# Allegro board A523-EVB-AXP717C-LPDDR4-4X-32X1-V1-0.brd (continued)
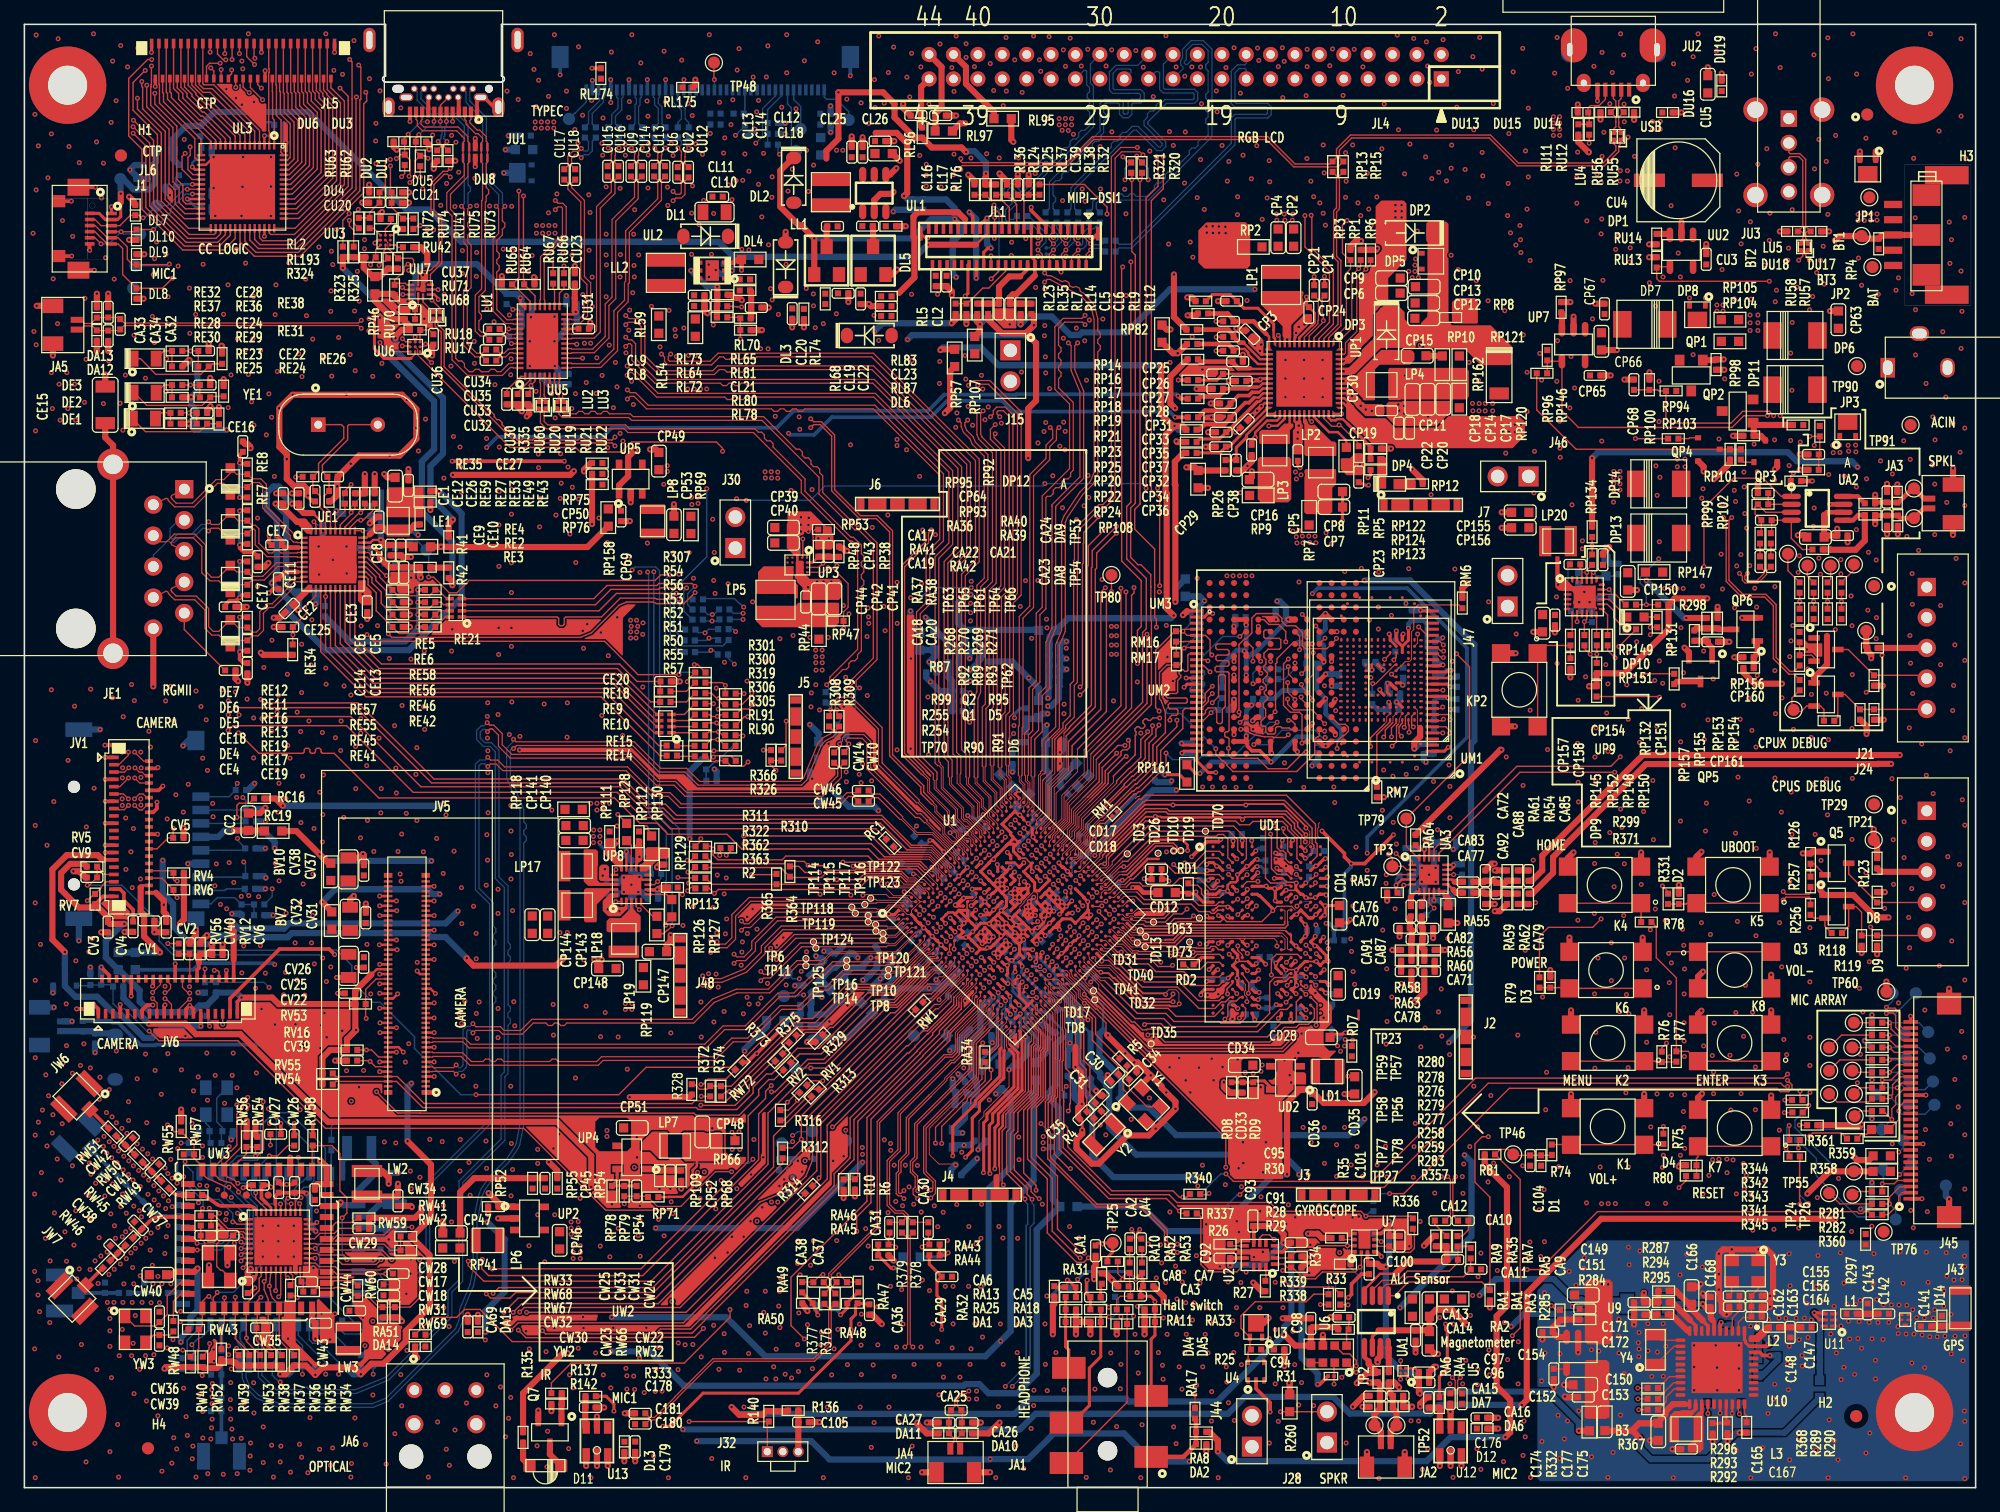
[diagram p0: board, top side]
## Nets (continued)
N18174923: C167.2 L3.1 U10.23(V_CORE)
N18174933: L3.2 U10.22(V_DCDC_OUT)
N18174967: C168.1 R288.1 U10.6(V_BCKP)
N18175003: C169.1 U10.5(LDO_B_OUT)
N18175017: C170.1 U10.24(LDO_C_OUT)
N18175058: R289.2 R368.2 U10.27(PIO2)
N18175060: R290.2 U10.30(PIO3)
N18175080: R291.2 U10.29(PIO5)
N18175116: R292.2 U10.19(PIO6)
N18175118: R293.2 U10.18(PIO7)
N18175146: R294.2 U10.9(VANT_IN)
N18175148: R295.2 U10.10(VANT_O)
N18175196: C172.1 R295.1
N18175216: R296.2 U10.17(RESET_N)
N18190806: DP9.2(CATHODE) KP2.1 KP2.3 RP145.1
N18190929: CP154.2 LP20.1 UP9.23(SW1) UP9.24(SW2)
N18190986: CP154.1 UP9.22(BST)
N18191047: DP10.2 UP9.15(STAT)
N18191051: DP10.1 RP131.2
N18191138: CP159.1 RP132.2 UP9.21(LDO)
N18191152: RP132.1 RP133.2 RP134.2 UP9.8(TS)
N18191222: RP135.2 RP152.1 UP9.10(NCE)
N18191243: RP136.2 UP9.17(PSEL)
N18197385: CW21.2 LW4.2 UW1.29(ABUCK_1P12)
N18197390: CW16.2 LW1.2 UW1.26(CSR_VLX)
N18197394: LW1.1 UW1.25(CBUCK_0P9)
N18197400: LW4.1 UW1.28(ASR_VLX)
N18197583: RW11.2 UW1.31(LPO_IN)
N18198312: CW8.1 CW12.2 JW3.3(TX/RX)
N18198325: RW6.2 UW1.48(NC3)
N18198336: CW8.2 CW11.2 RW6.1
N18198395: CW3.2 CW5.1 RW2.1
N18198403: RW2.2 UW1.9(WL_ANT1)
N18198405: RW3.2 UW1.2(WL_ANT0)
N18198409: CW4.2 CW6.2 RW3.1
N18198425: CW1.1 CW3.1 JW1.3(TX/RX)
N18198441: CW15.1 RW8.2 YW1.3(XOUT)
N18198445: CW2.2 CW4.1 JW2.3(TX/RX)
N18198460: CW7.1 RW7.2 YW1.1(XIN)
N18218999: CU4.1 CU5.2 DU19.2(CATHODE) JU3.1(VBUS) UU2.1(OUT)
N18219074: DU13.2(CATHODE) JU2.4(ID) RU11.1 RU12.1
N18219316: RU14.2 UU2.3(ISET)
N18220262: DU20.2(CATHODE) JC1.9(CD#) RC15.1 RC20.2
N18223657: CA2.2 RA52.1
N18223660: CA4.2 RA53.1
N18228273: RV1.1 U1.N5(PE15/MCSI2-MCLK/PWM-2/NCSI-D15/)
N18228401: RV2.1 U1.L2(PE5/MCSI1-MCLK/PLL-LOCK-DBG/I2S)
N18228701: RW1.1 U1.R1(PG0/SDC1-CLK/PG-EINT0)
N18233774: RM1.1 U1.T28(PC5/NAND-RE/SDC2-CLK/PC-EINT5)
N18247943: R258.1 TP78.1(TP)
N18247946: R259.1 TP77.1(TP)
N18273638: CA70.1 CA82.1 CA87.2 RA56.1 RA60.2
N18273672: CA76.1 CA82.2 CA91.1 RA58.2 RA63.2
N18273714: CA78.2 RA63.1
N18273716: CA71.2 RA60.1
N18273751: CA77.1 CA88.1 CA92.2 RA59.1 RA62.2
N18273767: CA72.1 CA83.1 CA88.2 RA54.2 RA61.2
N18273783: CA85.2 RA54.1
N18273785: CA79.2 RA62.1
N18274335: CA89.1 RA57.1 UA3.4(RETN)
N18274347: CA86.1 UA3.8(VREF)
N18279815: RU42.1 UU3.A3(VDD)
N18279822: RU41.1 UU3.B1(VCONN)
N18280499: RU10.2 UU5.29(I2C_EN)
N18453310: C174.1 R332.1 U12.6(VDD)
N18453328: C175.2 C176.2 D12.2(CATHODE) U12.4(OUT)
N18453461: C178.1 R333.1 U13.6(VDD)
N18453493: C179.2 C180.2 D13.2(CATHODE) U13.4(OUT)
N18460548: RU59.2 RU60.2 UU5.3(DCICFG/ADDR)
N18461013: RU67.1 UU5.22(CEQ/CSDA)
N18461022: RU66.1 UU5.21(DPEQ/CSCL)
N18461799: R335.2 UU5.2(REXT)
N18462290: RU61.1 UU5.35(CE_USB)
N18464343: CU30.2 UU5.1(VDD/CEXT)
N18464870: CU31.2 UU5.17(VDD_DCI)
N18505997: J45.17 R357.2 TP103.1(TP)
N18506037: J45.6 J45.7 J45.8 J45.9 R359.2 TP104.1(TP)
N18506054: J45.5 R358.2 TP105.1(TP)
N18513498: CU36.2 RU68.1 UU6.C1(VDD)
N18516675: CU37.2 RU71.2 UU7.1(VCC)
N18527306: RP148.1 UP9.12(NINT)
N18527353: RP149.1 UP9.16(NPG)
N18527380: RP150.1 UP9.13(SDA)
N18527406: RP151.1 UP9.14(SCL)
N18530784: QP6.3(C) RP153.1 RP154.2 RP155.2
N18530810: CP160.1 QP6.1(B) RP156.1
N18530858: CP161.1 QP5.1(B) RP155.1
N18530886: QP5.3(C) RP157.2
N18615287: RU75.1 UU3.A1(CC2)
N18615290: RU74.1 UU3.C1(CC1)
N18672918: D15.2 R288.2
N18672921: D15.1 R369.1 R370.1
N18773287: CL1.1 CL56.1 RL194.1 UL3.3(AVDD)
N18773435: CL3.1 RL195.1 UL3.18(VDD1V8)
N18773479: CL58.1 RL3.1 UL3.21(VDDIO)
N18773497: CL57.1 UL3.24(VTNC)
N18883227: RV56.1 U1.J1(PE0/MCSI0-MCLK/PE-EINT0)
N180837250: JL2.40(1_GP01) TP51.1(TP)
N180837255: JL2.35(6_SCL) TP50.1(TP)
N180837256: JL2.34(7_SDA) TP49.1(TP)

Pads without a net: J45 11 12 13 14 15 16; JA6 4 5; JL1 20 22 36 38 39 41 42 43 44 45; JL4 2 3 11 12 20 21 33 34 35 36; JV1 17 18 20 21 23 24 30 31; JV5 2 3 4 5 22 24 27 29 32 33 34 35 38 39 41 44 45 47 51 53 57 59 63 65 69 71 75 77 81 83 87 89; JV6 2 3 5 6 8 9 11 12 14 15 32 33; NOREF#2 1; NOREF#3 1; NOREF#4 1; NOREF#5 1; NOREF#9 1; NOREF#10 1; NOREF#11 1; NOREF#12 1; U1 AE11 AF29 AG23 AG28 AG29 AH29 AJ22; U2 2 3 10 11; U4 1 3; U7 10; U10 4 8 13 14 15 16 20 25 31 32 33 34 35 36 37; UD1 A1 A2 A11 A12 AA1 AA12 AB1 AB2 AB11 AB12 B1 B12 G11 K5 K8 N5 N8; UM1 A4 A6 A9 A11 AA1 AA2 AA7 AA8 AA9 AA10 AA11 AA12 AA13 AA14 AE1 AE14 AG2 AG13 AH4 AH6 AH9 AH11 B2 B13 D1 D14 H1 H2 H7 H8 H9 H10 H11 H12 H13 H14 J1 J7 J8 J9 J10 J11 J12 J13 J14 K1 K3 K5 K7 K8 K9 K10 K11 K12 K13 K14 L1 L2 L3 L4 L12 L13 L14 M1 M2 M3 M5 M8 M9 M10 M12 M13 M14 N1 N2 N3 N10 N12 N13 N14 P1 P2 P3 P10 P12 P13 P14 R1 R2 R3 R12 R13 R14 T1 T2 T3 T12 T13 T14 U1 U2 U3 U6 U7 U10 U12 U13 U14 V1 V2 V3 V12 V13 V14 W1 W2 W3 W7 W8 W9 W10 W11 W12 W13 W14 Y1 Y3 Y6 Y7 Y8 Y9 Y10 Y11 Y12 Y13 Y14; UM2 A1 A2 A3 A4 A10 A11 A12 A13 B1 B2 B3 B4 B10 B11 B12 B13 C1 C2 C3 C4 C10 C11 C12 C13 D1 D2 D12 D13 E1 E2 E12 E13 F5 F6 G8 G9 H3 H4 H6 H8 H10 H11 J8 K3 K4 K8 K10 K11 L5 L6 M8 M9 N1 N2 N12 N13 P1 P2 P12 P13 R1 R2 R3 R4 R10 R11 R12 R13 T1 T2 T3 T4 T10 T11 T12 T13 U1 U2 U3 U4 U10 U11 U12 U13; UM3 3 11 14 15 20 21 22 26 27 33 40 45 46 47; UP1 36 40; UP8 10; UP9 9 11; UU5 23 38; UW1 17 18; UW2 27 39; UW3 5 8 30 32 35 37 38 39 40 45 46 47

## Via types
v1: diameter 0.406, hole 0.203, TOP to BOTTOM, 4938 vias

## Routing (per net, layer and track width the routed paths; a pad name or vN(x,y) marks a point on that pad's centre or on a via; arc(x,y) is an arc through that point)
AGND: length 11.1
  TOP w0.254: U1.AA3 79.41,40.32 79.41,40.24 v1(79.44,40.21) ; U1.U7 79.12,43.45 v1(79.49,43.08)
  BOTTOM w0.508: C68.2 77.39,32.26 C63.2 78.11,33.17 C67.2 78,33.45 77.61,33.84 C64.2 77.61,34.35 77.62,34.35 C65.2 77.62,36.67 78.38,37.43 R14.1 78.38,38.15 78.39,38.16 C66.2 78.39,39.42 78.8,39.83 79.06,39.83 v1(79.44,40.21)
AVCC: length 232.3
  TOP w0.254: U1.W7 79.83,42.75 v1(80.14,42.44)
  TOP w0.508: R6.1 v1(68.1,23.88) ; v1(121.44,4.14) 121.83,4.54 121.83,7.2 120.72,8.32 120.72,14.06 121.56,14.9 121.56,24.64 v1(119.74,26.46) R81.1 ; RP82.2 93.65,94.98 v1(93.98,94.98) ; RA8.2 97.16,4.57 97.86,3.87 v1(97.86,2.96)
  L3 w0.508: v1(114.44,93.68) 114.44,94.87 113.23,96.09 113.19,96.09 112.38,96.9 101.71,96.9 101.04,96.23 99.45,96.23 98.2,94.98 v1(93.98,94.98) ; v1(68.1,23.88) 67.65,24.32 64.59,24.32 63.51,25.4 v1(62.99,25.4) ; v1(119.15,29.58) 114.65,29.58 113.7,28.63 108.12,28.63 107.84,28.91 97.33,28.91 93.75,25.32 85.2,25.32 82.71,27.81 80.8,27.81 80.31,28.3 78.02,28.3 77.23,29.09 v1(76.92,29.09) 69.91,29.09 v1(68.71,27.89)
  L4 w0.254: v1(80.14,42.44) 80.18,42.4 80.18,41.52 78.91,40.26 78.91,37.64
  L4 w0.508: v1(76.92,29.09) 76.92,33.12 77.61,33.8 77.61,36.33 78.91,37.64 ; v1(119.74,26.46) 119.15,27.05 v1(119.15,29.58) 119.41,29.83 119.41,69.67 114.43,74.65 114.43,81.97 115.06,82.6 115.06,86.4 115.68,87.01 115.68,92.44 v1(114.44,93.68) ; v1(68.71,27.89) 68.44,27.89 67.76,27.21 67.76,24.21 v1(68.1,23.88)
  BOTTOM w0.508: C63.1 77.17,31.41 R13.1 77.13,30.29 RP85.2 76.43,29.09 v1(76.92,29.09) ; R8.1 62.99,25.77 v1(62.99,25.4) ; v1(97.86,2.96) 98.64,2.17 114.98,2.17 116.95,4.14 v1(121.44,4.14)
AVDD10: length 51.2
  TOP w0.203: 23.64,79.93 24.3,79.27 UE1.38 ; 22.4,75.1 UE1.8 ; UE1.3 22.5,77.1
  TOP w0.381: 22.5,77.1 21.34,77.1 CE7.1 21.12,77.65 v1(20.7,78.07) ; 22.4,75.1 21.36,75.1 CE11.1 20.65,74.56 v1(20.28,74.19)
  TOP w0.508: 23.64,79.93 22.91,79.93 22.53,80.31 CE12.1 v1(21.94,80.69) ; RE4.2 v1(34.01,81.73)
  BOTTOM w0.508: v1(21.94,80.69) 21.2,81.44 21.2,81.78 20.87,82.1 20.41,82.1 19.88,81.58 19.88,80.2 20.7,79.39 v1(20.7,78.07) 20.7,74.61 v1(20.28,74.19) 21.69,72.78 21.69,71.72 24.73,68.68 31.52,68.68 35.85,73.02 35.85,79.88 v1(34.01,81.73)
AVDD33: length 16.6
  TOP w0.203: UE1.40 23.5,78.7 22.98,79.21 ; UE1.11 23.32,73.71 23.05,73.44
  TOP w0.508: v1(22.46,71.96) CE2.1 23.05,73.44 ; v1(20.6,80.69) CE1.1 21.23,80.33 22.35,79.21 22.98,79.21
  BOTTOM w0.508: v1(20.6,80.69) 21.46,79.83 21.46,74.1 22.19,73.37 RE1.2 22.53,72.03 v1(22.46,71.96)
AVDD-LCD: length 39.5
  TOP w0.254: v1(76.28,104.04) 76.56,103.75 JL1.37
  TOP w0.508: 69.8,111.1 71.53,111.1 72.39,110.23 72.39,106.18 72.15,105.94 v1(72.13,105.94) ; DL2.2 63.01,109.04 61.98,108.01 61.98,105.04 63.52,103.5 63.71,103.5 v1(64.76,102.45) DL3.1
  BOTTOM w0.508: v1(72.13,105.94) 72.15,105.94 72.44,105.65 CL15.1 RL63.2 75.56,105.65 76.28,104.93 v1(76.28,104.04) ; v1(64.76,102.45) 72.77,102.45 74.36,104.04 v1(76.28,104.04) ; RL1.2 76.28,102.3 76.78,102.81 76.78,103.53 v1(76.28,104.04)
DVDD: length 3.1
  TOP w0.203: UA3.19 v1(114.78,52.35)
  TOP w0.254: v1(114.78,52.35) 114.41,52.35 RA64.2
  BOTTOM w0.508: CA90.1 CA74.1 114.69,52.44 v1(114.78,52.35)
DVDD10: length 11.1
  TOP w0.508: RE2.2 v1(33.29,80.18) ; v1(27.73,73.27) 27.73,73.04 CE3.2
  L3 w0.508: v1(33.29,80.18) 33.29,78.35 32.05,77.11 31.21,77.11 27.73,73.63 v1(27.73,73.27)
DVDD33: length 54.5
  TOP w0.203: UE1.29 28.38,77.5 28.6,77.72 v1(29.22,77.72)
  TOP w0.508: v1(13.68,89.43) 13.65,89.41 RE30.2 ; v1(13.54,92.46) 13.46,92.46 RE37.2 ; RE34.1 19.57,68.3 v1(19.39,68.48) ; RE25.2 v1(13.47,87.25) ; v1(29.22,77.72) 29.64,77.3 CE6.1 CE5.1 31.63,77.3 31.77,77.16 RE5.2
  L3 w0.508: v1(19.39,68.48) 19.39,71.9 18.28,73.01 18.28,78.67 v1(19.12,79.51) 19.12,85.73 18.11,86.74 v1(16.59,86.74)
  L4 w0.508: v1(29.22,77.72) 27.64,77.72 26.75,78.61 20.98,78.61 20.08,79.51 v1(19.12,79.51)
  BOTTOM w0.508: v1(29.22,77.72) RE33.1 RE44.2 RE50.2 RE54.2 ; v1(16.59,86.74) 13.98,86.74 v1(13.47,87.25) 14.03,87.81 14.03,88.41 13.68,88.76 v1(13.68,89.43) 14.18,89.94 14.18,91.82 v1(13.54,92.46)
DVDD-IO: length 1.5
  TOP w0.508: RE6.1 33.32,75.45 R42.2
DVDDRG: length 25.9
  TOP w0.203: 29.16,76.55 28.61,77.1 UE1.28
  TOP w0.305: RE56.2 v1(32.25,72.61) ; RE58.2 v1(32.25,73.63) ; RE42.2 v1(32.25,70.58) ; RE46.2 v1(32.25,71.59)
  TOP w0.508: v1(32.51,74.64) 32.44,74.71 RE6.2 32.43,75.47 CE13.2 CE14.2 29.93,75.47 29.16,76.25 29.16,76.55
  BOTTOM w0.305: 31.03,75.15 32,75.15 v1(32.51,74.64) 32.25,74.39 v1(32.25,73.63) v1(32.25,72.61) v1(32.25,71.59) v1(32.25,70.58) ; 31.03,75.15 31.03,74.26 RE52.2 ; 31.03,75.15 RE48.2
  BOTTOM w0.508: RE39.1 26.69,69.39 31.22,69.39 32.25,70.42 v1(32.25,70.58)
GND: length 1206.6
  TOP w0.076: 90.39,48.02 90.07,47.7 U1.AF28 ; v1(72.9,50.32) 73.12,50.32 73.56,49.89 73.74,49.89 74.51,49.11 U1.C8 ; 100.13,45.03 102.48,45.03 102.71,44.8 v1(102.71,44.41) ; 100.13,45.03 99.6,45.03 ; 100.13,45.03 UD1.N4 99.6,45.03 ; U1.C27 81.23,55.83 81.48,56.08 81.48,56.43 U1.B29 ; U1.AH16 86.18,42.39 86.61,41.96 ; v1(74.41,50.87) 74.97,50.31 74.97,50.07 75.22,49.82 U1.C10 ; 103.4,37.41 103.45,37.47 104.32,37.47 ; v1(76.35,26.47) 76.29,26.53 74.99,26.53 74.2,27.32 74.2,29.47 77.67,32.94 77.67,32.94 78.22,33.49 78.22,36.11 v1(78.58,36.47) ; 91.49,56.78 91.38,56.68 91.28,56.68 91.1,56.49 ; 78.68,30.76 78.68,30.48 78.28,30.08 78.28,27.79 v1(78.21,27.72) ; 93.66,40.45 v1(93.57,40.45) ; U1.H11 77.41,48.12 77.77,48.12 78.05,48.4 U1.H13 ; 73.46,48.05 73.36,48.15 73.35,48.15 72.73,48.77 72.62,48.77 72.52,48.87 v1(72.15,48.87) ; 73.46,48.05 U1.C6 ; 73.46,48.05 73.45,48.05 72.85,47.45 72.74,47.34 U1.C3 72.39,46.99 72.08,47.3 71.73,47.3 U1.A2 ; v1(83.36,38.28) 83.36,38.5 U1.AJ6 82.89,38.96 82.89,39.32 82.64,39.57 U1.AG7 ; 106.21,54.54 106.13,54.47 106.13,54.14 106.05,54.06 106.05,53.43 106.2,53.28 ; v1(86.98,41.8) 86.98,41.47 87.3,41.14 87.59,41.14 87.72,41.01 87.81,41.01 87.92,40.9 87.92,40.75 88.04,40.62 88.04,40.55 ; v1(86.92,39.73) 86.42,40.23 86.42,40.74 85.12,42.04 85.08,42.04 ; U1.AD7 81.23,40.98 80.97,41.24 80.97,41.59 U1.AA7 ; U1.AH25 89.71,45.93 89.96,45.68 89.96,45.68 90.07,45.68 90.27,45.49 ; v1(105.04,52.24) 105.04,52.49 105.4,52.85 105.4,53.78 v1(105.08,54.1) ; U1.R3 76.99,42.39 76.7,42.1 76.7,41.86 75,40.16 v1(75,40.01) ; v1(75.9,53.71) 75.9,53.65 77.06,52.49 77.06,52.22 77.34,51.94 U1.C16 ; 103.96,47.62 104.19,47.39 104.19,47.37 ; v1(87.77,51.84) 87.77,51.91 88.1,52.24 ; v1(80.74,34.28) 80.74,32.87 78.66,30.8 ; v1(84.89,39.9) 84.16,40.63 U1.AH10 83.95,40.73 83.95,41.08 83.7,41.33 U1.AF11 U1.AG12 84.76,41.69 85.06,41.39 85.06,41.17 85.94,40.29 85.94,40.25 85.94,39.62 86.73,38.83 ; 99.6,45.03 96.74,45.03 ; v1(91.01,45.86) 91.27,45.86 91.36,45.95 91.62,45.95 91.74,45.83 ; U1.AG14 85.47,42.39 85.72,42.14 85.72,41.92 86.9,40.73 v1(86.9,40.46) ; U1.T19 83.08,48.13 83.08,48.71 82.84,48.95 81.97,48.08 81.97,47.97 81.63,47.64 81.63,47.39 81.58,47.34 ; v1(90.88,44.98) 91.44,44.98 91.51,44.91 91.8,44.91 91.82,44.89 92.07,44.89 92.09,44.91 93.55,44.91 ; U1.AJ11 84.83,40.63 85.43,40.02 85.43,39.05 v1(85.6,38.89) ; U1.C20 78.75,53.35 78.5,53.6 78.5,53.85 77.34,55.01 v1(77.34,55.12) ; 89.98,55.46 89.18,54.66 89.18,54.65 ; U1.AA28 88.02,49.54 88.38,49.54 88.7,49.87 88.82,49.87 ; 94.94,45.69 95,45.69 95.01,45.7 103.03,45.7 103.04,45.69 103.41,45.69 ; U1.AH3 81.58,38.15 81.58,37.8 82.08,37.3 v1(82.08,36.97) ; 87.01,52.19 87.01,51.71 86.63,51.33 86.63,50.98 U1.U28 ; U1.A14 75.93,51.62 v1(75.39,52.15) ; 98.02,48.97 98.62,48.97 v1(98.66,48.94) ; 89.13,44.39 88.65,44.87 U1.AH22 ; v1(74.75,41.66) 74.99,41.9 75.29,41.9 75.97,42.58 75.97,42.8 76.28,43.1 U1.N3 ; U1.AD28 89.36,48.4 90,49.05 90.73,49.05 ; v1(78.63,55.19) 78.63,55.12 79.16,54.59 79.16,54.37 79.46,54.06 U1.C22 ; U1.C18 78.05,52.65 77.8,52.9 77.8,53.11 v1(77.25,53.66) ; UM1.Y2 114.24,69.25 v1(114.24,70) ; 93.55,40.54 93.84,40.83 94.42,40.83 94.67,40.59 94.67,39.7 v1(94.69,39.67) ; 88.9,49.01 88.55,49.01 88.3,48.76 U1.AC27
  TOP w0.089: 103.07,51.26 UD1.C8
  TOP w0.102: 103.87,46.71 UD1.K9 ; 89.69,42.57 89.66,42.6 89.53,42.6 88.89,43.24 88.24,43.24 ; 86.18,36.16 86.18,38.35 85.65,38.89 v1(85.6,38.89) ; 88.77,37.13 88.69,37.22 88.69,38.11 87.08,39.73 v1(86.92,39.73) ; v1(86.9,40.46) 87.11,40.25 87.13,40.25 87.44,39.94 87.44,39.92 87.93,39.43 88.09,39.43 88.18,39.34 88.22,39.34 88.54,39.02 ; U1.W29 88.23,51.16 88.57,51.16 v1(88.58,51.16) 88.72,51.3 88.72,51.79 ; v1(82.08,36.97) 82.08,32.51 80.27,30.7 80.27,29.64 79.96,29.33 79.96,25.72 79.71,25.47 ; 105.47,46.71 UD1.K11 ; UD1.N11 105.47,44.76 ; UD1.D11 105.47,50.61 ; 103.07,40.21 UD1.Y8 ; 103.07,38.91 UD1.AB8 ; 94.9,45.64 94.94,45.69 ; v1(89.77,44.96) 89.94,44.96 89.95,44.95 90.11,44.79 90.12,44.78 90.88,44.02 91.33,44.02 91.38,43.96 94.09,43.96 94.2,44.08 94.55,44.08 94.6,44.12 ; 92.64,53.14 90.43,50.93 v1(90.15,50.93) 90.14,50.92 89.87,50.92 88.82,49.87 ; 103.88,54.28 103.88,53.99 104.67,53.2 UD1.A10 ; 103.87,44.76 UD1.N9 ; 103.07,42.81 UD1.T8 ; 90.75,50.2 90.64,50.1 90.61,50.1 90.59,50.08 90.51,50.08 90.24,49.81 v1(90.03,49.81) ; 103.41,45.69 103.45,45.64 ; UD1.P1 97.31,43.95 96.67,43.95 ; UD1.W9 103.87,40.86 ; UD1.G8 103.07,48.66 ; U1.AC29 88.9,49.01
  TOP w0.114: 87.01,52.19 87.71,52.89 v1(87.71,53.16) 88.22,53.66 88.22,53.8 ; v1(79.27,34.26) 79.27,33.5 77.6,31.83 77.6,31.48 ; U1.AJ18 87.97,42.37 88.16,42.37 v1(88.27,42.27) ; 103.96,47.62 103.91,47.68 102.73,47.68 v1(102.37,47.32) 101.47,46.42 98.58,46.42 98.28,46.71 UD1.K2 98.27,46.6 98.07,46.41 ; U1.AC29 89.7,49.81
  TOP w0.127: 89.7,49.81 v1(90.03,49.81) ; UD1.N9 103.87,45.38 103.78,45.46 ; U1.G27 82.64,54.08 82.37,54.36 82.37,54.41 v1(82.32,54.46) 82.3,54.48 82.25,54.48 81.96,54.77 U1.E27 ; U1.H11 77.3,48.01 77.3,47.39 U1.J10 ; UD1.J1 97.53,47.36 97.71,47.55 97.77,47.55 97.92,47.7 98.58,47.7 v1(98.67,47.61) ; v1(89.94,43.92) 89.63,43.92 89.15,44.39 89.13,44.39 ; 104.35,48.98 103.47,48.98 v1(103.46,49) ; 90.27,45.49 90.77,44.98 v1(90.88,44.98) ; v1(104.3,42.44) 104.26,42.48 103.49,42.48 v1(103.45,42.43) ; v1(95.83,43.92) 95.87,43.95 96.67,43.95 ; 102.74,36.41 102.66,36.33 93.1,36.33 v1(92.6,36.83) ; 94.81,44.29 94.65,44.12 94.6,44.12 ; 103.88,54.28 103.16,55 100.09,55 v1(99.87,54.79) ; 94.55,46.35 94.41,46.35 93.89,45.83 91.74,45.83 ; 98.07,46.41 94.61,46.41 ; 81.58,51.59 81.62,51.62 82.09,51.62 82.48,51.23 U1.L23 ; 86.73,38.83 v1(87.21,38.36) ; 103.07,49.96 UD1.E8 103.19,49.96 103.5,49.65 104.18,49.65 104.24,49.58 v1(104.29,49.58) ; 103.45,41.54 103.76,41.85 104.22,41.85 104.25,41.87 ; 105.23,43.15 105.75,43.15 ; 100.33,43.15 99.56,43.15 v1(99.47,43.25) ; 105.26,48.35 105.86,48.35 ; v1(90.89,49.21) 90.73,49.05
  TOP w0.152: 86.61,41.96 86.77,41.8 v1(86.98,41.8) ; v1(92.6,36.83) 92.54,36.83 92.46,36.75 91.85,36.75 88.04,40.55 ; 103.45,45.64 103.86,45.24 ; 88.72,51.79 91.95,55.02 92.72,55.02 v1(92.74,55.04) 93.16,55.04 93.23,54.97 ; 103.45,41.54 103.4,41.54 103.36,41.51 UD1.V8 103.07,41.51 ; v1(88.27,42.27) 88.34,42.19 88.9,42.19 89.29,41.8 89.38,41.8 91.64,39.54 93.87,39.54 93.94,39.47 94.49,39.47 ; 93.55,40.54 91.72,40.54 89.69,42.57 ; v1(90.88,48.11) 90.48,48.11 90.39,48.02 ; v1(105.08,54.1) 105.08,54.23 103.25,56.06 100.23,56.06 v1(100.15,55.98) v1(94.18,55.98) 94.08,55.98 94.06,56.01 91.87,56.01 88.1,52.24 ; 94.9,45.64 94.19,44.94 93.57,44.94 93.55,44.91
  TOP w0.203: v1(33.7,40.52) 33.3,40.91 JV5.43 ; JV5.67 v1(33.6,45.71) ; v1(28.74,102.07) 28.98,102.31 UU3.C2 ; JV5.76 v1(30.53,47.31) ; JV5.85 v1(33.6,49.31) ; UP8.9 50.66,49.85 v1(50.42,50.09) ; JV5.26 v1(29.16,37.31) ; v1(82.71,53.37) 82.71,53.29 U1.J26 ; 92.64,53.14 94.95,53.14 95.38,52.7 v1(95.38,52.25) ; JV5.49 32.44,42.11 32.21,42.34 v1(32.21,42.37) ; 81.58,53 U1.G24 81.42,53 81.05,53.37 ; v1(29.13,40.54) 29.16,40.51 JV5.42 ; JL1.46 73.87,102.49 v1(74.07,102.49) ; UP3.B3 UP3.B4 ; UP3.B3 UP3.B2 UP3.C2 ; UP3.B3 UP3.C3 ; JV5.36 v1(29.13,39.31) ; JV5.7 v1(33.6,33.71) ; 82.56,51.15 U1.L21 ; 82.56,51.15 82.56,50.6 v1(82.64,50.52) ; 82.56,51.15 U1.L23 ; v1(32.04,94.37) 32.04,93.96 UU6.C2 ; JV5.50 v1(29.13,42.11) ; JV5.80 v1(30.51,48.11) ; U1.AC21 86.65,46.75 87.12,46.75 U1.AD23 ; JV5.40 30.23,40.11 v1(30.61,40.49) ; UP9.2 126.16,73.65 v1(125.76,74.05) UP9.1 ; CP24.2 105.8,96.33 105.8,95.51 105.56,95.27 105.52,95.27 104.55,94.31 UP1.8 ; U1.J19 U1.J18 U1.K18 ; 63.23,76.7 63.38,76.55 UP3.C1 UP3.C2 ; JV5.14 v1(29.13,34.91) ; v1(30.51,35.71) JV5.18 ; v1(80.99,36.72) 81.23,36.96 U1.AJ1 ; v1(86.74,29.31) 86.74,30.02 C35.2 ; UM1.Y5 111.99,69.49 ; JV5.82 v1(29.13,48.51) ; UP3.C2 UP3.C3 ; JV5.30 v1(29.16,38.11) ; UL3.40 v1(19.68,102.62) ; v1(75.54,46.27) 75.22,46.59 U1.G6 U1.G7 75.75,47.17 76.17,47.17 v1(77.05,46.28) ; JV5.13 v1(33.6,34.91) ; JV5.19 v1(33.6,36.11) ; JV5.61 v1(33.6,44.51) ; v1(81.56,57.2) 81.54,57.2 U1.A29 U1.B29 ; U1.D14 76.61,50.15 v1(76.61,50.15) 76.28,49.82 U1.D12 ; JV5.46 v1(29.13,41.31) ; 90.75,50.2 92.11,51.56 93.01,51.56 ; JV5.74 v1(29.13,46.91) ; v1(22.09,18.94) 22.22,18.81 UW2.19 ; U1.AJ27 90.85,45.86 v1(91.01,45.86) ; 93.23,54.97 99.69,54.97 v1(99.87,54.79) ; U1.AE19 86.46,45.15 86.46,45.24 v1(86.48,45.26) ; JL1.4 86.46,100.94 v1(86.41,100.99) ; v1(85.39,102.51) 85.56,102.68 JL1.7 ; UP3.C3 UP3.C4 ; JV5.62 v1(29.11,44.51) ; 109.41,38.38 109.41,39.11 109.4,39.11 ; JV5.55 v1(33.6,43.31) ; UA3.15 v1(117.19,51.07) 117.18,51.05 117.18,50.88 116.96,50.67 UA3.14 ; v1(84.86,45.77) 84.86,46.19 U1.AA19 ; U5.A1 113.45,9.18 v1(113.45,8.9) ; JV5.20 30.33,36.11 30.34,36.12 30.67,36.12 31.07,35.73 v1(31.07,35.72) ; v1(32.69,99.45) 32.69,99.4 32.69,99.4 UU7.6 ; 81.59,43.81 81.59,43.77 81.09,43.28 81,43.28 v1(80.95,43.23) ; v1(98.66,48.94) 98.66,49.4 98.9,49.64 99.32,49.64 99.47,49.78 v1(99.47,50.27) ; JV5.64 v1(30.51,44.91) ; v1(30.56,44.11) JV5.60 ; v1(87.44,46.96) 87.24,47.17 U1.AC24 87.19,47.39 v1(87.19,48.05) ; JV5.54 v1(29.13,42.91) ; JV5.37 33.54,39.71 33.6,39.78 v1(33.6,39.75) ; v1(83.71,50.14) 83.74,50.14 U1.R23 ; JV5.25 v1(33.6,37.31) ; JV5.79 v1(33.6,48.11) ; JV5.10 v1(29.13,34.11) ; JL1.1 87.36,102.58 v1(87.43,102.51) ; JV5.31 v1(33.6,38.51) ; JV5.73 v1(33.6,46.91) ; v1(30.51,37.71) JV5.28 ; UL3.17 14.88,108.48 v1(15.52,109.12) ; UA3.9 v1(115.58,48.16) ; JV5.78 v1(29.13,47.71)
  TOP w0.254: U1.J18 80.16,50.17 v1(79.8,49.81) ; 106.93,39.4 106.93,39.55 UD1.Y12 105.92,40.56 v1(105.86,40.56) 105.55,40.86 UD1.W11 ; 103.07,38.91 103.07,38.73 v1(102.82,38.48) ; v1(97.1,49.82) 97.24,49.96 UD1.E1 ; U1.U15 v1(81.33,46.14) ; U1.U15 U1.R15 ; U1.U15 U1.V15 ; v1(81.33,46.14) v1(80.8,46.73) ; v1(81.33,46.14) 80.86,45.92 80.86,45.89 v1(81.23,45.52) ; v1(81.33,46.14) v1(81.9,45.55) ; v1(83.57,46.59) 83.35,46.81 U1.V18 U1.V19 ; v1(83.57,46.59) 83.57,46.34 83.15,45.91 v1(83.06,45.91) 82.9,45.91 82.62,45.64 v1(82.62,45.61) 82.59,45.64 82.58,45.64 U1.V15 ; v1(83.57,46.59) 83.93,46.95 v1(83.97,46.95) ; U1.G23 81.58,53 ; U1.G23 81.1,52.77 80.65,52.77 ; U1.G23 81.11,52.53 81.11,52.17 81.58,51.69 81.58,51.59 U1.J22 ; U1.C3 73.05,46.69 73.05,46.6 73.36,46.28 U1.E3 73.45,46.23 73.74,45.94 v1(73.74,45.91) 73.77,45.91 74.1,45.58 U1.G3 74.16,45.5 v1(74.45,45.21) 74.79,44.87 U1.J3 74.87,44.81 v1(75.17,44.51) 75.52,44.16 U1.L3 ; 105.9,48.39 v1(105.86,48.39) ; 105.9,48.39 106.17,48.66 UD1.G12 106.68,48.66 v1(106.74,48.6) ; 105.9,48.39 105.86,48.35 ; UM1.K4 112.56,64.42 v1(112.51,64.42) ; U1.U19 U1.U20 84.06,47.7 v1(84.06,47.61) ; U1.U19 U1.T19 ; U1.U19 U1.V19 ; 104.24,33.6 UD2.2 ; 104.24,33.6 104.01,33.37 v1(103.86,33.22) ; 104.24,33.6 104.11,33.6 103.89,33.83 v1(103.75,33.83) ; v1(78.75,48.05) 78.76,48.05 U1.L13 ; v1(78.75,48.05) 78.4,47.7 U1.K12 ; v1(78.75,48.05) 78.75,48.05 U1.J13 ; v1(102.49,49.96) 103.07,49.96 ; U1.T12 80.51,45.58 v1(80.19,45.9) ; U1.T12 U1.U12 ; U1.T12 80.18,45.23 v1(80.08,45.23) ; v1(97.92,46.91) 98,46.83 98.15,46.83 UD1.K2 ; v1(97.9,44.64) 98.03,44.76 UD1.N2 ; U1.G27 82.64,53.43 v1(82.71,53.37) ; JL5.21 19.43,117.71 v1(19.43,117.7) ; v1(101.17,40.03) 100.85,40.03 UD1.Y5 ; U1.K16 U1.K15 79.39,48.76 v1(79.09,48.46) ; U1.K16 U1.L16 ; U1.K16 80.15,49.45 v1(80.15,49.48) ; U1.K16 U1.J16 ; v1(80.8,46.73) 80.97,46.73 U1.R15 ; v1(80.8,46.73) v1(80.11,47.33) ; U1.AJ29 91.14,47 91.15,47 91.22,47.07 91.64,47.07 91.66,47.09 v1(91.81,47.09) ; UD1.J3 98.82,47.61 v1(98.67,47.61) ; U1.J16 U1.H16 U1.F16 U1.F18 79.11,51.26 79.36,51.52 v1(79.48,51.52) 79.48,51.61 U1.F20 U1.F22 80.65,52.77 ; U1.J16 79.46,49.48 v1(79.8,49.81) ; U1.R15 81.58,47.34 U1.R16 ; UD1.J12 106.27,47.36 v1(105.9,46.99) 105.62,46.71 UD1.K11 ; U1.U26 85.83,50.25 v1(85.54,50.54) 85.2,50.88 U1.R26 84.83,51.17 v1(84.83,51.25) ; v1(106.86,50.09) 106.73,49.96 UD1.E12 ; v1(80.95,43.23) 80.92,43.23 80.87,43.28 80.7,43.28 U1.W9 ; U1.A2 U1.A1 70.92,46.99 v1(70.87,47.04) ; U1.V12 U1.V13 ; U1.V12 U1.U12 ; U1.V12 U1.W12 ; U1.V13 81.58,45.22 v1(81.9,45.55) ; U1.V13 81.29,45.52 v1(81.23,45.52) ; U1.V13 81.86,44.94 v1(81.93,44.94) 81.58,44.59 U1.W12 ; UD1.N4 100.13,44.5 100.25,44.5 100.27,44.49 v1(100.27,44.49) ; v1(98.66,48.94) 98.93,48.66 UD1.G3 ; CP23.2 110.1,82.17 v1(110.22,82.22) ; v1(103.46,50.98) 103.82,50.61 UD1.D9 ; UD1.P10 104.58,44.11 v1(104.27,44.42) 104.21,44.42 103.87,44.76 ; UM3.2 96.75,71.4 97.04,71.69 v1(97.43,71.69) ; v1(96.95,51.12) 97,51.12 97.14,51.26 UD1.C1 v1(97.76,50.97) 97.82,50.91 97.97,50.91 UD1.D2 ; 76.63,45.22 U1.L7 76.67,45.89 v1(76.67,45.94) 76.71,45.94 v1(77.05,46.28) 77.34,46.57 U1.K9 ; 76.63,45.22 76.73,45.12 v1(77.19,45.12) 77.29,45.12 ; 76.63,45.22 U1.L6 ; v1(103.46,49) 103.4,49 103.07,48.66 ; v1(84.86,45.77) 84.7,45.93 U1.AA18 ; v1(99.47,50.27) 99.52,50.27 UD1.D4 100.21,50.95 v1(100.23,50.95) 100.26,50.98 100.38,50.98 UD1.C5 100.93,51.53 v1(101.09,51.53) ; U1.U12 81.17,45.52 v1(81.23,45.52) ; v1(79.8,49.81) 79.82,49.81 v1(80.15,49.48) ; UM3.25 116.44,60.4 v1(116.75,60.71) ; v1(106.68,51.59) 106.59,51.59 UD1.C12 106.02,51.02 105.94,51.02 v1(105.89,50.98) 105.83,50.98 105.47,50.61 ; UD1.K4 99.88,46.71 100.08,46.91 100.23,46.91 100.27,46.95 v1(100.3,46.95) ; 80.65,52.77 81.05,53.17 81.05,53.37 80.88,53.54 U1.E24 U1.C24 U1.C25 U1.C26 U1.C27 81.55,55.16 v1(81.62,55.16) 81.94,54.85 U1.E27 ; 105.47,46.71 105.32,46.71 UD1.J10 v1(104.32,47.01) 104.29,46.99 104.14,46.99 103.87,46.71 ; v1(110.41,66.43) 110.35,66.49 UM1.R10 ; U1.H9 76.32,47.03 76.31,47.03 ; U1.H9 U1.K9 ; U1.H9 U1.J10 U1.K9 ; U1.V15 82.29,45.93 v1(81.9,45.55) ; v1(96.91,48.86) 97.11,48.66 UD1.G1 97.71,48.66 98.02,48.97 ; v1(84.06,47.61) 83.97,47.61 U1.V19 ; v1(84.06,47.61) 84.39,47.28 84.3,47.28 v1(83.97,46.95) ; UM1.U8 110.99,67.47 v1(111.38,67.07) ; UM3.23 95.03,60.9 v1(94.89,61.04) ; U1.AA6 80.52,41.34 v1(80.64,41.34) ; v1(96.93,41.51) UD1.V1 ; U1.N13 U1.P13 v1(80.51,46.29) ; U1.N13 U1.N12 ; U1.N13 v1(80.11,47.33) ; v1(106.94,41.24) 106.66,41.51 UD1.V12 ; U1.W12 81.6,44.5 81.6,43.82 81.59,43.81 U1.AA11 ; U1.P11 79.16,46.23 v1(79.12,46.23) ; U1.P11 79.84,45.55 79.84,45.55 79.84,45.55 80.08,45.31 v1(80.08,45.23) ; U1.P11 v1(79.85,46.32) ; v1(80.19,45.9) 79.85,46.23 v1(79.85,46.32) ; v1(80.19,45.9) 80.19,45.97 v1(80.51,46.29) ; v1(79.12,46.23) 79.12,46.29 U1.N12 ; v1(79.12,46.23) 79.07,46.28 U1.M10 U1.M9 ; CD17.2 93.26,49.91 CD18.2 93.7,49.89 v1(93.85,49.74) ; v1(99.06,38.43) 99.07,38.44 UD1.AB3 ; UM3.13 95.35,65.9 v1(95.1,65.64) ; U1.R7 U1.N7 77.44,45.12 77.29,45.12 ; U1.R7 78.85,44.16 v1(78.96,44.27) 79.22,44.27 U1.T9 U1.T10 80.08,45.13 v1(80.08,45.23) ; U1.R7 U1.R6 ; 111.99,69.49 UM1.AA6 111.99,69.92 111.92,69.98 111.92,70 v1(111.91,70) ; v1(101.13,50.43) UD1.E5 ; v1(79.85,46.32) 79.54,46.64 U1.N12 ; v1(80.51,46.29) U1.T13 ; U1.M9 78.05,45.88 v1(77.76,45.59) 77.29,45.12 ; U1.M9 U1.L9 U1.K9 ; CP1.2 v1(106.6,99.33) ; v1(102.64,51.51) 102.88,51.26 103.07,51.26 ; v1(108.72,46.59) 108.72,46.48 108.56,46.32 CD1.2 ; v1(97.14,42.49) UD1.T1 ; v1(97.72,94.36) 97.74,94.37 CP27.2 ; UD1.AB5 100.67,38.89 100.87,38.4 v1(100.89,38.38) ; RD9.1 101.02,32.39 101.37,32.74 v1(101.37,32.84) ; U1.AC21 85.83,46.64 U1.AA20 U1.AA19 U1.AA18 ; v1(88.34,43.18) 88.34,43.38 87.95,43.78 U1.AJ20 ; 103.07,41.51 102.79,41.51 v1(102.62,41.35) ; v1(99.28,86.55) 99.31,86.55 99.68,86.92 CP29.2 ; 82.27,39.54 U1.AG7 ; 82.27,39.54 82.27,39.61 81.58,40.3 81.58,40.98 U1.AD7 81.58,41.24 v1(81.82,41.47) ; 82.27,39.54 U1.AG5 ; v1(10.41,117.7) 10.43,117.72 JL5.51 ; v1(87.19,48.05) 86.89,48.36 U1.AA25 U1.W25 ; RP123.2 110.38,83.04 v1(110.17,82.83) ; CP21.2 v1(105.76,99.32) ; U1.V19 83.97,47.08 v1(83.97,46.95) ; v1(80.15,49.48) 80.19,49.48 U1.K18 ; v1(80.15,49.48) 80.48,49.15 v1(80.54,49.15) 80.54,49.14 80.51,49.12 80.51,49.1 U1.L16 ; v1(88.32,54.1) 88.29,54.08 88.22,53.8 ; v1(81.9,45.55) 82.23,45.22 U1.W14 ; v1(101.01,42.98) 100.85,42.81 UD1.T5 100.33,43.15 ; v1(80.84,50.87) 80.52,50.55 U1.J19 U1.H19 ; UD1.P3 99.49,43.69 99.49,43.28 v1(99.47,43.25) 99.46,43.25 99.46,43.21 UD1.T3 99.47,42.41 99.47,41.81 v1(99.44,41.78) 99.49,41.73 99.49,41.24 UD1.W4 ; UD1.V5 100.98,41.51 101.17,41.71 101.19,41.71 v1(101.19,41.71) ; U1.L16 U1.M16 U1.N15 v1(80.11,47.33) ; U1.AA18 U1.AA17 ; v1(99.11,53.04) 99.11,52.61 UD1.A3 ; UD1.W2 97.89,40.49 v1(97.89,40.46) 97.84,40.46 97.59,40.21 UD1.Y1 97.29,40.21 97.1,40.4 v1(97.02,40.4) ; UM1.M7 111.14,65.34 v1(111.14,65.44) ; U1.AC13 83.35,43.77 v1(83.46,43.88) ; J1.1 v1(7.13,105.05) ; U1.D14 77.31,50.85 v1(77.31,50.86) ; v1(108.09,79.28) CP7.2 CP8.2 ; U1.W8 80.37,42.9 80.44,42.9 80.47,42.88 80.54,42.88 v1(80.59,42.82) 80.62,42.8 80.62,42.14 U1.AA7 ; v1(26.57,118.06) 26.56,118.05 JL5.53 ; v1(104.6,83.64) 104.42,83.82 CP5.2 ; v1(104.27,40.51) 104.22,40.51 103.87,40.86 103.92,40.92 104.04,40.92 v1(104.32,41.2) 104.25,41.27 104.25,42.39 v1(104.3,42.44) UD1.T10 105,43.15 105.23,43.15 ; v1(104.29,49.58) 104.29,49.58 104.29,49.53 104.26,49.49 104.26,49.07 UD1.G10 104.8,48.66 v1(105.08,48.39) 105.12,48.35 105.26,48.35 ; 105.75,43.15 105.93,43.15 v1(105.94,43.15) 105.94,43.14 UD1.T12 106.27,42.84 106.58,43.15 v1(106.91,43.15) 106.91,43.23 106.74,43.4 106.74,43.64 UD1.P12 105.96,44.42 v1(105.81,44.42) 105.47,44.76 105.84,45.14 v1(105.84,45.21) ; JL5.52 v1(9.3,118.05) ; 86.65,46.75 U1.AC24 ; v1(74.25,53.08) 74.47,53.08 v1(75.39,52.15) ; U1.R23 83.19,48.95 82.84,48.95 82.84,49.61 82.64,49.8 U1.N21 U1.M21 U1.L21 ; U1.AF13 84.41,42.56 v1(84.64,42.79) ; CP24.2 105.13,97 v1(105.13,97.65) ; v1(87.44,46.96) 87.38,46.91 87.38,46.78 U1.AD23 ; v1(105.04,52.24) 104.72,52.56 UD1.A10 ; UM3.36 116.67,65.9 v1(116.89,65.68) ; v1(113.02,65.82) 112.84,65.99 UM1.P5 ; JL5.50 v1(10.73,114.91) ; UD1.G5 101.1,48.66 101.22,48.54 101.3,48.54 102.37,47.46 v1(102.37,47.32) ; U1.AE15 84.76,43.54 v1(85.04,43.81) 85.13,43.81 U1.AE17 85.47,44.25 v1(85.77,44.55) 86.09,44.87 U1.AE19 ; v1(102.77,40.51) 103.07,40.21 ; UM3.48 114.53,71.9 v1(114.48,71.95) ; v1(89.77,44.96) 89.69,44.96 89.66,44.98 89.6,44.98 U1.AJ24 ; v1(105.08,38.53) 105.05,38.53 UD1.AB10 ; U1.AG13 85.08,42.04 ; v1(77.14,39.93) 77.19,39.98 77.19,40.11 77.69,40.61 U1.W1 ; v1(103.45,42.43) 103.07,42.81 ; CP26.2 v1(97.71,95.64) ; CP28.2 v1(97.71,93.23) ; JL5.20 v1(19.73,116.2)
  TOP w0.305: JV6.1 6.06,39.25 v1(5.66,39.65) ; JL1.13 83.76,103.53 82.55,104.74 v1(82.55,105) ; JV6.22 v1(12.36,42.96) ; JV1.10 11.01,57.19 v1(11.35,57.53) ; U4.2 100.99,8.12 102.15,6.96 v1(102.15,6.21) ; CW25.2 18.4,24.8 18.16,24.63 17.97,24.63 v1(17.93,24.59) ; JL1.47 87.68,102.51 v1(87.43,102.51) ; JV1.40 v1(6.6,60.89) ; v1(101.32,22.66) 100.95,22.29 C93.2 ; v1(20.06,78.07) 20.06,77.52 CE7.2 ; JV1.27 v1(6.63,52.09) ; J45.30 154.67,38.65 v1(154.66,38.66) ; JV1.1 v1(6.63,59.89) ; v1(18.9,16.38) 18.47,15.96 CW23.2 ; v1(108.56,15.6) 108.82,15.85 108.82,16.7 109.63,17.51 C100.2 ; JV6.16 10.56,41.17 v1(10.51,41.12) ; JL6.8 v1(3.85,105.5) ; JV6.19 11.46,39.52 v1(11.53,39.59) ; CE26.2 23.65,80.88 23.24,81.28 v1(23.24,81.36) ; v1(108.9,22.15) 108.9,21.62 109.27,21.25 109.36,21.25 109.51,21.1 109.51,21.01 U7.9 ; CW26.2 v1(22.12,29.87) ; JU1.A12 v1(31.62,112.04) ; JV6.10 v1(8.76,40.31) ; JV1.19 v1(6.63,54.49) ; v1(109.42,22.23) 109.42,22 110.13,21.29 U7.8 ; CW27.2 v1(21.02,29.87) ; CW35.1 19.88,12.26 v1(19.84,12.22) ; RL174.1 v1(46.54,116.4) ; v1(23.7,18) 23.56,17.77 CW22.1 ; R34.1 106.07,18.33 v1(105.35,17.61) ; JU1.A1 37.12,113.72 JU1.B12 37.69,114.02 38.5,113.21 JU1.1 ; v1(10.87,56.21) 10.87,55.69 10.57,55.39 JV1.16 ; v1(113.06,70) 112.99,69.93 UM1.AA4 ; JL6.6 v1(5.36,101.48) ; JV1.13 v1(6.63,56.29) ; JV6.27 13.86,39.24 v1(13.56,39.55) 13.26,39.25 JV6.25 ; v1(10.95,59.05) 10.88,58.99 JV1.4 ; J45.10 v1(155.69,28.19) ; JV1.25 v1(6.63,52.69) ; JL5.1 v1(25.43,117.7) ; J45.1 v1(155.6,23.69) ; CE11.2 20.4,73.71 v1(20.06,73.37) ; JL1.10 84.66,100.05 v1(85.01,99.69) ; JU2.5 v1(128.99,113.72) ; CW31.2 21.99,24.87 v1(21.51,24.87) 21.02,24.87 CW33.2 ; J1.7 v1(5.74,99.84) ; JV1.22 v1(10.92,53.59) ; JV6.4 6.96,42.01 v1(6.3,42.67) ; JV6.40 v1(4.28,39.26) ; JV6.7 v1(7.86,39.61) ; v1(10.53,39.58) 10.07,39.58 9.66,39.17 JV6.13 ; JV6.41 v1(19.45,39.26) ; U2.6 v1(99.34,19.33) ; v1(111.28,18.95) 110.88,19.34 U7.4 ; J1.8 v1(5.83,106.64) ; J45.18 v1(155.92,32.19) ; JL6.7 v1(3.88,101) ; JV1.7 v1(6.63,58.09) ; RW58.1 v1(23.65,29.87)